# Altium PCB PCB1.PcbDoc
Units mm, origin at the board's own origin, x right, y up, seen from the top; angles counter-clockwise.
Board outline 99.06 x 63.5 mm, 2 copper layers (Top Layer, Bottom Layer); 31 components, 38 nets, 125 pads, 20 vias.
Unrouted connection lines stored in the file: 1.
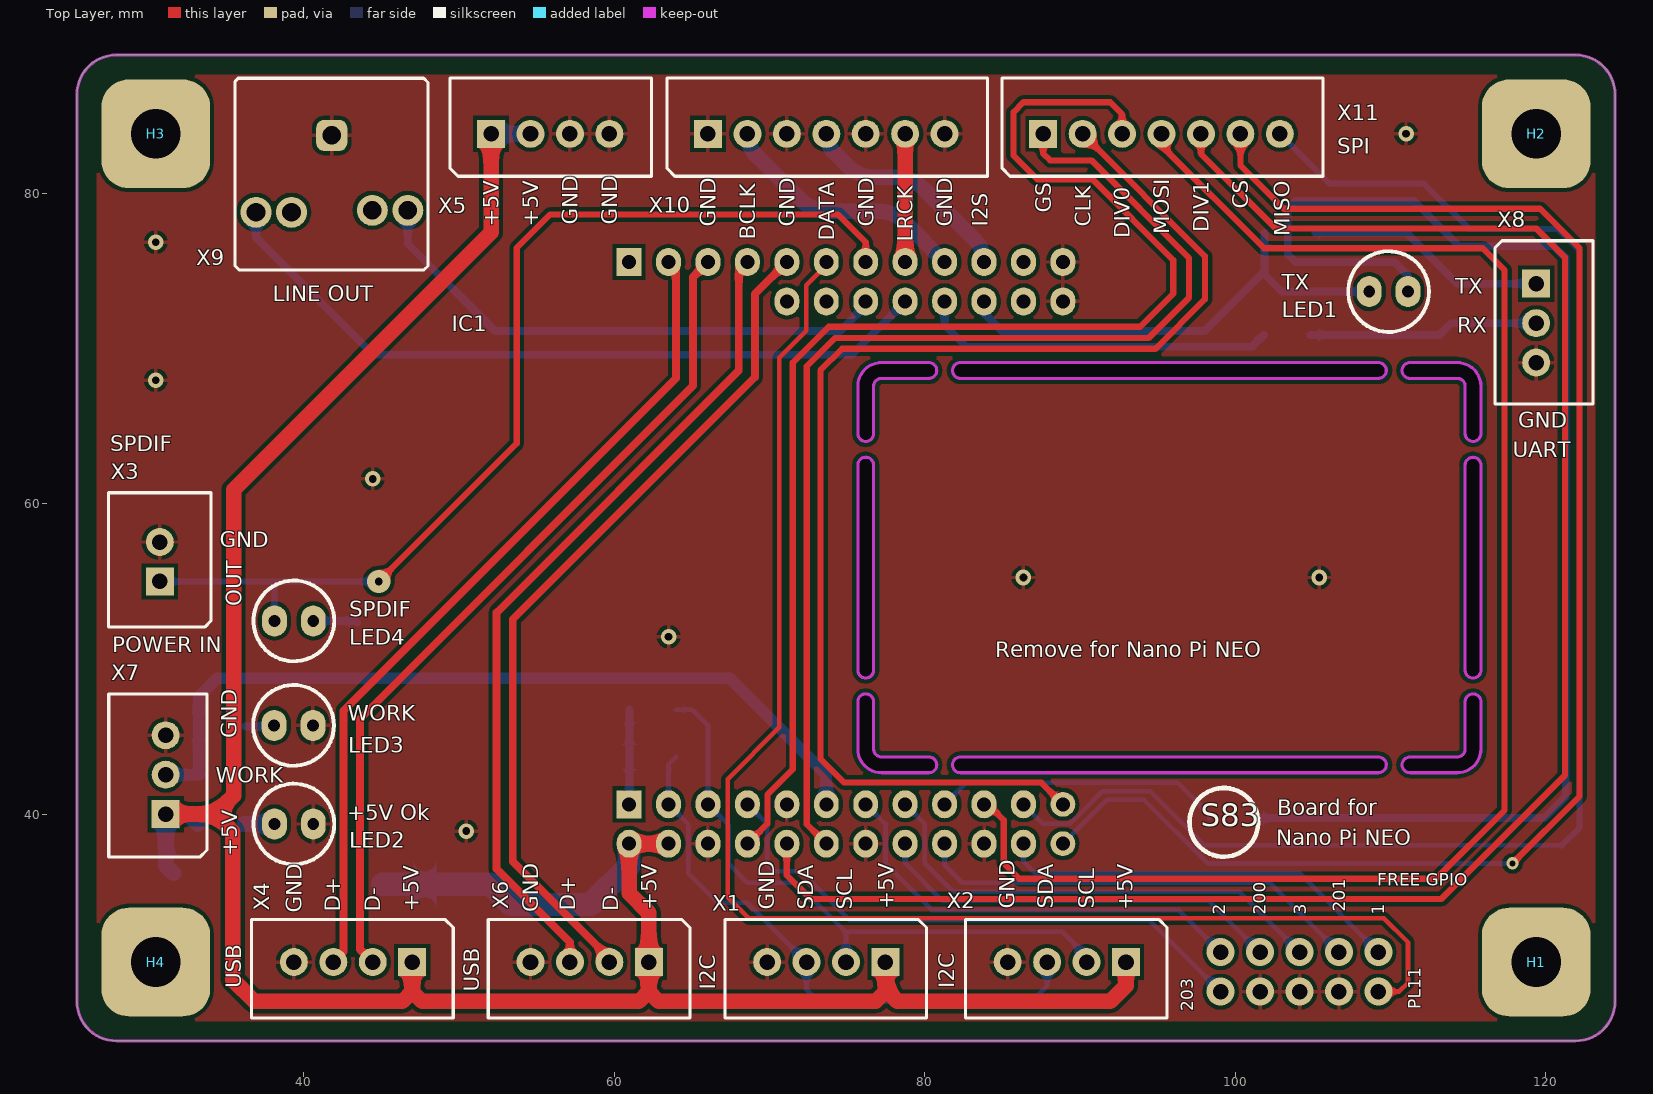
[diagram p0: Top Layer view]
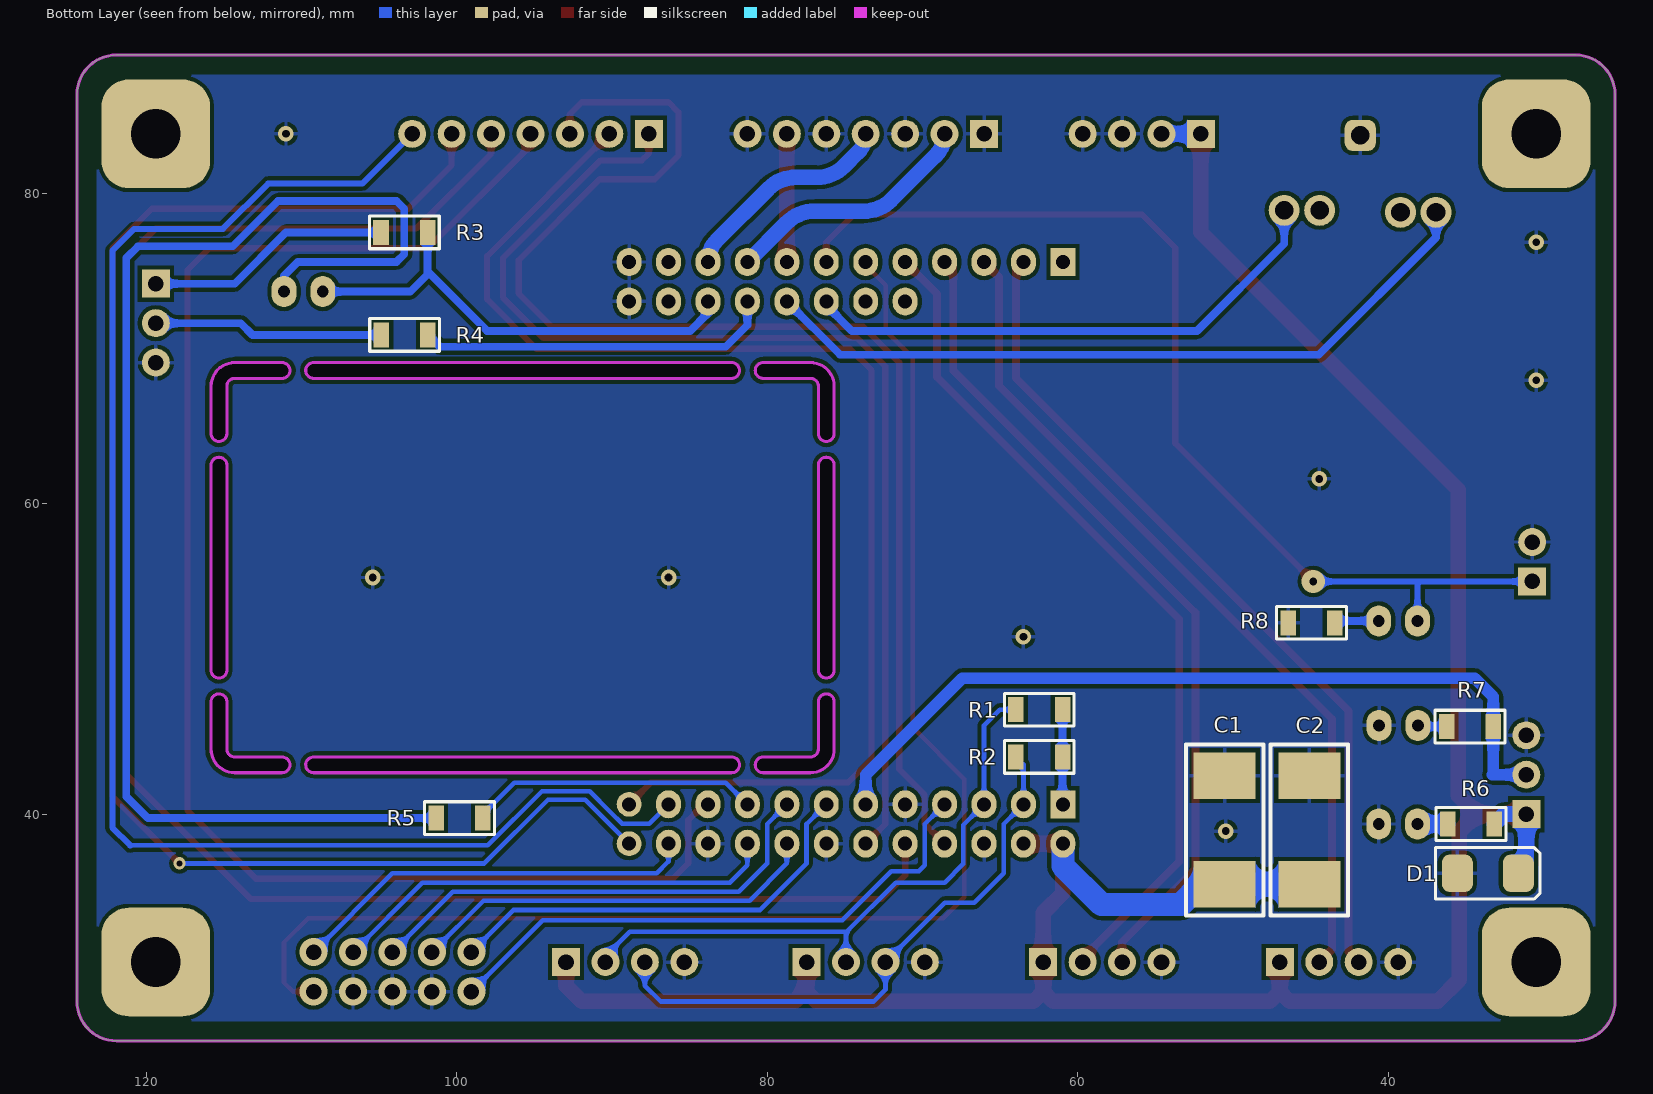
[diagram p1: Bottom Layer view, seen from below]

## Layer stack, top to bottom
Top Solder: solder mask 0.0102, Solder Resist, Dk 3.5
Top Layer: signal copper 0.0356
Dielectric 1: dielectric 0.32, FR-4, Dk 4.8
Bottom Layer: signal copper 0.0356
Bottom Solder: solder mask 0.0102, Solder Resist, Dk 3.5

## Board outline
27.94,25.4 121.92,25.4 ccw(c121.92,27.94) 124.46,27.94 124.46,86.36 ccw(c121.92,86.36) 121.92,88.9 27.94,88.9 ccw(c27.94,86.36) 25.4,86.36 25.4,27.94 ccw(c27.94,27.94)
cut-out: 81.788,43.18 ccw(c82.296,43.18) 82.296,42.672 109.22,42.672 ccw(c109.22,43.18) 109.728,43.18 ccw(c109.22,43.18) 109.22,43.688 82.296,43.688 ccw(c82.296,43.18)
cut-out: 115.316,62.992 cw(c115.316,62.484) 115.824,62.484 115.824,49.276 cw(c115.316,49.276) 115.316,48.768 cw(c115.316,49.276) 114.808,49.276 114.808,62.484 cw(c115.316,62.484)
cut-out: 76.2,62.992 cw(c76.2,62.484) 76.708,62.484 76.708,49.276 cw(c76.2,49.276) 76.2,48.768 cw(c76.2,49.276) 75.692,49.276 75.692,62.484 cw(c76.2,62.484)
cut-out: 111.252,42.672 114.3,42.672 ccw(c114.3,44.196) 115.824,44.196 115.824,47.244 ccw(c115.316,47.244) 115.316,47.752 ccw(c115.316,47.244) 114.808,47.244 114.808,44.196 cw(c114.3,44.196) 114.3,43.688 111.252,43.688 ccw(c111.252,43.18) 110.744,43.18 ccw(c111.252,43.18)
cut-out: 75.692,47.244 75.692,44.196 ccw(c77.216,44.196) 77.216,42.672 80.264,42.672 ccw(c80.264,43.18) 80.772,43.18 ccw(c80.264,43.18) 80.264,43.688 77.216,43.688 cw(c77.216,44.196) 76.708,44.196 76.708,47.244 ccw(c76.2,47.244) 76.2,47.752 ccw(c76.2,47.244)
cut-out: 81.788,68.58 ccw(c82.296,68.58) 82.296,68.072 109.22,68.072 ccw(c109.22,68.58) 109.728,68.58 ccw(c109.22,68.58) 109.22,69.088 82.296,69.088 ccw(c82.296,68.58)
cut-out: 115.824,64.516 115.824,67.564 ccw(c114.3,67.564) 114.3,69.088 111.252,69.088 ccw(c111.252,68.58) 110.744,68.58 ccw(c111.252,68.58) 111.252,68.072 114.3,68.072 cw(c114.3,67.564) 114.808,67.564 114.808,64.516 ccw(c115.316,64.516) 115.316,64.008 ccw(c115.316,64.516)
cut-out: 80.264,69.088 77.216,69.088 ccw(c77.216,67.564) 75.692,67.564 75.692,64.516 ccw(c76.2,64.516) 76.2,64.008 ccw(c76.2,64.516) 76.708,64.516 76.708,67.564 cw(c77.216,67.564) 77.216,68.072 80.264,68.072 ccw(c80.264,68.58) 80.772,68.58 ccw(c80.264,68.58)

## Design rules (kind name [scope] priority, off if disabled: settings)
Clearance [All] p1: gap=0.254 ignorepadtopadclearanceinfootprint=FALSE except(0: Arc-Hole Track-Hole SMDPad-Hole THPad-Hole Via-Hole Fill-Hole Poly-Hole Region-Hole Text-Hole)
PolygonConnect [All] p1: connectstyle=Relief reliefconductorwidth=0.254 reliefentries=4 polygonreliefangle="90 Angle" airgapwidth=0.254
RoomDefinition Sheet1 [InComponentClass('Sheet1')] p1: confinementstyle=ConfineIn formatcopy=TRUE lockcomponents=FALSE outline 178.943,26.797 219.456,26.797 219.456,87.376 178.943,87.376
RoutingVias [All] p1: holewidth=0.711 width=1.27 viastyle="Through Hole" minholewidth=0.711 minwidth=1.27 maxholewidth=0.711 maxwidth=1.27
SolderMaskExpansion [All] p1: expansion=0.102 istentingtop=FALSE
Width [All] p1: maxlimit=10 minlimit=0.254 preferedwidth=0.254 minimp=50.000000 maximp=50.000000 favimp=50.000000
30 further rules are at their usual default settings.

## Components (designator, comment, footprint, x,y, rotation, side; value= is the part's Value field where it differs from the comment)
C1 "10 мкФ" "Конденсатор SMD тантал 4x7" 50.546,38.989 r90 bottom
C2 "10 мкФ" "Конденсатор SMD тантал 4x7" 45.085,38.989 r90 bottom
D1 "SMAJ 5.0A" "Диод SS14" 33.528,36.195 r0 bottom
H1 "3.2" "Отверстие 3,2" 119.38,30.48 r0 top
H2 "3.2" "Отверстие 3,2" 119.38,83.82 r0 top
H3 "3.2" "Отверстие 3,2" 30.48,83.82 r0 top
H4 "3.2" "Отверстие 3,2" 30.48,30.48 r0 top
IC1 "Nano Pi NEO2 / AIR" NANOPI_NEO 60.96,40.64 r0 top
LED1 "Красный" "Светодиод 3mm" 109.875,73.66 r180 top
LED2 "Красный" "Светодиод 3mm" 39.37,39.37 r0 top
LED3 "Зеленый" "Светодиод 3mm" 39.35,45.72 r0 top
LED4 "Красный" "Светодиод 3mm" 39.37,52.451 r0 top
R1 "10 кОм" "SMD 1206 Резистор" 62.484,46.736 r0 bottom
R2 "10 кОм" "SMD 1206 Резистор" 62.484,43.688 r0 bottom
R3 "100 Ом" "SMD 1206 Резистор" 103.378,77.47 r0 bottom
R4 "100 Ом" "SMD 1206 Резистор" 103.354,70.866 r0 bottom
R5 "360 Ом" "SMD 1206 Резистор" 99.822,39.751 r0 bottom
R6 "470 Ом" "SMD 1206 Резистор" 34.671,39.37 r180 bottom
R7 "360 Ом" "SMD 1206 Резистор" 34.747,45.644 r180 bottom
R8 "360 Ом" "SMD 1206 Резистор" 44.958,52.324 r0 bottom
X1 "XH_4PIN_2.54" "(1X4) PIN XH 2.54 HEADR" 72.39,30.52 r270 top
X2 "XH_4PIN_2.54" "(1X4) PIN XH 2.54 HEADR" 87.884,30.52 r270 top
X3 "XH_3PIN_2.54" "(1X2) PIN XH 2.54 HEADER" 30.734,57.531 r90 top
X4 "XH_4PIN_2.54" "(1X4) PIN XH 2.54 HEADR" 41.91,30.52 r270 top
X5 "XH_4PIN_2.54" "(1X4) PIN XH 2.54 HEADR" 57.15,83.78 r90 top
X6 "XH_4PIN_2.54" "(1X4) PIN XH 2.54 HEADR" 57.15,30.52 r270 top
X7 "XH_3PIN_2.54" "(1X3) PIN XH 2.54 HEADR" 31.155,45.085 r180 top
X8 "XH_3PIN_2.54" "(1X3) PIN XH 2.54 HEADR" 119.34,69.088 r0 top
X9 "Audio jack 3.5" "3.5 AUDIO JACK MAMA" 43.409,82.829 r180 top
X10 "XH_7PIN_2.54" "(1X7) PIN XH 2.54 HEADR" 71.12,83.78 r90 top
X11 "XH_7PIN_2.54" "(1X7) PIN XH 2.54 HEADR" 92.71,83.78 r90 top

## Footprints (in the part's own frame and the unit in brackets; to place one, negate y for a bottom-side part, rotate by r counter-clockwise, add the part's x,y. Pads: shape width x height; smd on the part's side, far side on the other; paste and mask are expansions set on the pad)
"3.5 AUDIO JACK MAMA" [mm]
  round 2 hole 1.2: 1(-3.302,3.937) 2(-1.016,3.937) 3(4.191,4.064) 4(6.477,4.064)
  rrect50% 2x2 hole 1.2: 5(1.6,-0.889)
  silkscreen extent -4.6,-4.57 7.82,7.77, body extent -4.38,-7.55 7.62,7.55, height 10
"(1X2) PIN XH 2.54 HEADER" [mm]
  rect 1.8x1.8 hole 1: 1(-2.54,0)
  round 1.8 hole 1: 2(0,0)
  silkscreen extent -5.46,-3.3 3.18,3.3, body extent -5.22,-3.02 2.78,2.98, height 7
"(1X3) PIN XH 2.54 HEADR" [mm]
  rect 1.8x1.8 hole 1: 1(0.04,5.08)
  round 1.8 hole 1: 2(0.04,2.54) 3(0.04,0)
  silkscreen extent -2.62,-2.67 3.71,7.85, body extent -2.36,-2.41 3.44,7.55, height 7
"(1X4) PIN XH 2.54 HEADR" [mm]
  rect 1.8x1.8 hole 1: 1(0.04,5.08)
  round 1.8 hole 1: 2(0.04,2.54) 3(0.04,0) 4(0.04,-2.54)
  silkscreen extent -2.69,-5.26 3.63,7.72, body extent -2.4,-5.01 3.4,7.49, height 7
"(1X7) PIN XH 2.54 HEADR" [mm]
  rect 1.8x1.8 hole 1: 1(0.04,5.08)
  round 1.8 hole 1: 2(0.04,2.54) 3(0.04,0) 4(0.04,-2.54) 5(0.04,-5.08) 6(0.04,-7.62) 7(0.04,-10.16)
  silkscreen extent -2.69,-12.93 3.63,7.72, body extent -2.4,-12.55 3.4,7.52, height 7
NANOPI_NEO [mm]
  rect 1.6x1.8 hole 0.9: A1(0,0) B1(0,34.925)
  oval 1.6x1.8 hole 0.9: A2(0,-2.54) A3(2.54,0) A4(2.54,-2.54) A5(5.08,0) A6(5.08,-2.54) A7(7.62,0) A8(7.62,-2.54) A9(10.16,0) A10(10.16,-2.54) A11(12.7,0) A12(12.7,-2.54) A13(15.24,0) A14(15.24,-2.54) A15(17.78,0) A16(17.78,-2.54) A17(20.32,0) A18(20.32,-2.54) A19(22.86,0) A20(22.86,-2.54) A21(25.4,0) A22(25.4,-2.54) B2(2.54,34.925) B3(5.08,34.925) B4(7.62,34.925) B5(10.16,34.925) B6(12.7,34.925) B7(15.24,34.925) B8(17.78,34.925) B9(20.32,34.925) B10(22.86,34.925) B11(25.4,34.925) B12(27.94,34.925) C1(10.16,32.385) C2(12.7,32.385) C3(15.24,32.385) C4(17.78,32.385) C5(20.32,32.385) C6(22.86,32.385) C7(25.4,32.385) C8(27.94,32.385)
  round 1.6 hole 0.9: A23(27.94,0) A24(27.94,-2.54)
  body extent -6.97,-3.94 38.81,36.26, height 15
"SMD 1206 Резистор" [mm]
  rect 1x1.6 smd: 1(-1.5,0) 2(1.5,0)
  silkscreen extent -2.25,-1.05 2.25,1.05, body extent -1.5,-0.77 1.51,0.78, height 0.55
"Диод SS14" [mm]
  rrect50% 2x2.4 smd: 1(2.032,0) 2(-1.905,0)
  silkscreen extent -3.3,-1.65 3.43,1.65, body extent -2.53,-1.36 2.53,1.36, height 2.5
"Конденсатор SMD тантал 4x7" [mm]
  rect 3x4 smd: 1(-3.5,0) 2(3.5,0)
  silkscreen extent -5.5,-2.5 5.5,2.5, body extent -3.75,-2 3.75,2, height 2.95
"Отверстие 3,2" [mm]
  rrect50% 7x7 hole 3.2: 1(0,0)
"Светодиод 3mm" [mm]
  oval 1.6x2 hole 0.762: 1(-1.25,0) 2(1.25,0)
  silkscreen extent -2.6,-2.6 2.6,2.6, body extent -2,-2 1.5,2, height 7.2

## Part data
C1 C2: library part Конденсатор, Case=4x7
D1: library part Диод, Case=DO-214AC
H1 H2 H3 H4: library part "Отверстие монтажное", Case=Отверстие
IC1: library part "NanoPi NEO", Case=-
LED1 LED2 LED3 LED4: library part Светодиод, Case=3мм
R1 R2 R3 R4 R5 R6 R7 R8: library part Резистор, Case="SMD 1206"
X1 X2 X4 X5 X6: library part "(1x4) pin XH 2.54 Header", Case="XH 4PIN", System=Connector
X3: library part "(1x2)pin 2.54 Header", Case="XH 3PIN", System=Connector
X7 X8: library part "(1x3)pin 2.54 Header", Case="XH 3PIN", System=Connector
X9: library part "3.5 Audio", Case="Audio jack female", System=Connector
X10 X11: library part "(1x7) pin 2.54 Header", Case="XH 7PIN", System=Connector

## Via types
v1: diameter 1.8, hole 1, Top Layer to Bottom Layer, 10 vias
v2: diameter 1, hole 0.5, Top Layer to Bottom Layer, tented both sides, 8 vias
v3: diameter 1.5, hole 0.5, Top Layer to Bottom Layer, tented both sides, 1 vias
v4: diameter 0.8, hole 0.4, Top Layer to Bottom Layer, tented both sides, 1 vias

## Nets (pads, with @x,y where several pads share a name; then routed paths per layer and width w, separated by ;. In a path a pad name is that pad's centre, name@x,y a point inside that pad or via, vN(x,y) a via of type N, cw(c..) or ccw(c..) an arc to the next point about the centre after c; other vN are vias at no path point)
+3.3V: IC1.A1 IC1.A17 R1.1 R2.1 R5.1 | length 24.8
  Bottom Layer w0.3: IC1.A17 82.677,42.037 96.286,42.037 98.322,40.001 R5.1
  Bottom Layer w0.5: IC1.A1 60.984,40.664 R2.1 R1.1
+5V: C1.1 C2.1 D1.2 IC1.A2 IC1.A4 R6.2 X1.1 X2.1 X4.1 X5.1 X5.2 X6.1 X7.1 | length 171.3
  Top Layer w1: X7.1 34.29,40.005 ; X4.1 46.99,28.575 ; X5.1 52.07,77.47 35.484,60.884 35.484,41.199 34.29,40.005 ; IC1.A4 IC1.A2 60.96,34.925 62.23,33.655 X6.1 62.23,28.575 ; X1.1 77.47,28.702 ; X2.1 92.964,28.956 91.948,27.94 78.232,27.94 77.47,28.702 ; 34.29,40.005 35.433,38.862 35.433,29.337 36.83,27.94 46.355,27.94 46.99,28.575 ; 46.99,28.575 47.625,27.94 61.595,27.94 62.23,28.575 ; 62.23,28.575 62.865,27.94 76.835,27.94 77.47,28.575 77.47,28.702
  Bottom Layer w1: D1.2 31.115,36.703 X7.1 32.536,40.005 R6.2 ; X5.1 X5.2
  Bottom Layer w1.5: C2.1 C1.1 52.034,35.489 53.34,34.183 58.475,34.183 60.96,36.668 IC1.A2
BCLK: IC1.B9 X10.2 | length 16.3
  Bottom Layer w1: X10.2 ccw(c70.555,83.82) 69.158,82.423 72.002,79.58 ccw(c73.798,81.376) 73.798,78.836 76.957,78.836 cw(c76.957,76.296) 78.753,78.092 IC1.B9
CONSOLE_RX: IC1.C5 R4.1 | length 23
  Bottom Layer w0.5: IC1.C5 81.28,71.501 82.677,70.104 101.092,70.104 R4.1
CONSOLE_TX: IC1.C6 LED1.2 R3.1 | length 30.8
  Bottom Layer w0.5: IC1.C6 83.82,72.263 84.963,71.12 98.044,71.12 101.878,74.954 ; R3.1 101.878,74.954 ; LED1.2 102.997,73.66 101.878,74.779 101.878,74.954
DATA: IC1.B10 X10.4 | length 14.1
  Bottom Layer w1: X10.4 ccw(c75.328,83.82) 74.148,82.64 75.024,81.765 ccw(c76.82,83.561) 76.82,81.021 78.145,81.021 cw(c78.145,78.481) 79.941,80.277 83.231,76.987 cw(c81.809,75.565) IC1.B10
DIV0: IC1.A8 X11.3 | length 85.5
  Top Layer w0.4: IC1.A8@68.707,38.1 IC1.A8 69.866,39.386 69.866,41.259 71.501,42.894 71.501,69.088 73.812,71.399 93.878,71.399 96.012,73.533 96.012,75.692 90.805,80.899 87.249,80.899 85.725,82.423 85.725,85.217 86.36,85.852 91.948,85.852 92.71,85.09 X11.3
DIV1: IC1.A10 X11.5 | length 116.9
  Top Layer w0.4: IC1.A10 71.12,36.068 72.644,34.544 113.284,34.544 121.234,42.494 121.234,75.87 119.38,77.724 102.616,77.724 97.79,82.55 X11.5
GEN_SEL: IC1.A12 X11.1 | length 73.7
  Top Layer w0.4: IC1.A12 72.406,39.354 72.406,68.85 74.219,70.663 94.412,70.663 97.028,73.279 97.028,75.819 90.742,82.105 88.075,82.105 87.63,82.55 X11.1
GND: C1.2 C2.2 D1.1 IC1.A6 IC1.A9 IC1.A14 IC1.A20 IC1.B12 IC1.C8 LED2.2 LED3.2 R8.2 X1.4 X2.4 X3.2 X4.4 X5.3 X5.4 X6.4 X7.3 X8.3 X9.5 X10.1 X10.3 X10.5 X10.7
  other v1: 101.6,28.575 104.14,28.575 106.68,28.575
  other v2: 50.47,38.913 63.5,51.435 86.36,55.245 105.41,55.245 44.45,61.595 30.48,67.945 30.48,76.835 110.998,83.82
L_OUT: IC1.C4 X9.4 | length 48
  Bottom Layer w0.5: X9.4 36.932,77.14 44.475,69.596 75.311,69.596 IC1.C4
LRCLK: IC1.B8 X10.6 | length 8.3
  Top Layer w1: IC1.B8 X10.6
NetLED1_1: LED1.1 R5.2 | length 87.1
  Bottom Layer w0.5: R5.2 119.888,39.751 121.279,41.142 121.279,75.825 120.523,76.581 114.427,76.581 111.506,79.502 103.886,79.502 103.378,78.994 103.378,76.073 103.886,75.565 110.236,75.565 111.125,74.676 LED1.1
NetLED2_1: LED2.1 R6.1 | length 1.9
  Bottom Layer w1: R6.1 LED2.1
NetLED3_1: LED3.1 R7.1 | length 1.9
  Bottom Layer w0.5: R7.1 38.024,45.644 LED3.1
NetLED4_2: LED4.2 R8.1 | length 2.9
  Bottom Layer w0.5: LED4.2 43.331,52.451 R8.1
NetR3_2: R3.2 X8.1 | length 15.2
  Bottom Layer w0.5: R3.2@105.156,77.47 110.998,77.47 114.3,74.168 X8.1@118.999,74.168
NetR4_2: R4.2 X8.2 | length 14.8
  Bottom Layer w0.5: R4.2 113.157,70.866 113.919,71.628 X8.2
PA1: IC1.A22 | length 26.4
  Bottom Layer w0.3: IC1.A22 86.36,36.957 87.127,36.19 104.145,36.19 v1(109.22,31.115)
PA2: IC1.A13 | length 28.3
  Bottom Layer w0.3: IC1.A13 77.47,39.37 77.47,36.83 80.473,33.827 96.348,33.827 v1(99.06,31.115)
PA3: IC1.A15 | length 30.8
  Bottom Layer w0.3: IC1.A15 80.01,39.37 80.01,36.83 81.844,34.996 100.259,34.996 v1(104.14,31.115)
PC_ON: IC1.A11 R7.2 X7.2 | length 52.6
  Bottom Layer w0.75: X7.2 33.299,42.545 33.247,42.597 R7.2 33.247,47.573 34.442,48.768 67.437,48.768 73.66,42.545 IC1.A11
PG8: IC1.A16 | length 26.5
  Bottom Layer w0.3: IC1.A16 78.74,36.83 81.133,34.437 98.278,34.437 v1(101.6,31.115)
PG9: IC1.A18 | length 29.1
  Bottom Layer w0.3: IC1.A18 81.28,36.703 82.403,35.58 102.215,35.58 v1(106.68,31.115)
PG11: IC1.A7 | length 37
  Bottom Layer w0.3: IC1.A7 69.85,39.37 69.85,36.703 70.231,36.322 72.009,36.322 75.159,33.172 94.463,33.172 v1(99.06,28.575)
PL11: IC1.B6 | length 93.3
  Top Layer w0.3: IC1.B6 73.66,75.356 72.365,74.061 72.365,71.14 70.637,69.413 70.637,45.593 67.31,42.266 67.31,34.646 68.656,33.299 109.576,33.299 111.125,31.75 111.125,29.158 110.542,28.575 v1(109.22,28.575)
R_OUT: IC1.C3 X9.1 | length 34.9
  Bottom Layer w0.5: X9.1 46.711,76.733 52.324,71.12 74.549,71.12 76.2,72.771 IC1.C3
SCL1: IC1.A5 R1.2 X1.2 X2.2 | length 39.8
  Bottom Layer w0.3: R1.2 65.024,46.736 66.04,45.72 IC1.A5 67.376,39.304 67.376,36.796 68.58,35.592 71.723,35.592 74.93,32.385 ; X1.2 74.93,32.385 ; X2.2 90.424,30.861 88.849,32.436 74.93,32.436 74.93,32.385
SDA1: IC1.A3 R2.2 X1.3 X2.3 | length 37.7
  Bottom Layer w0.3: R2.2 63.5,43.204 IC1.A3 64.77,39.37 64.77,36.195 66.675,34.29 68.58,34.29 X1.3 72.39,28.702 73.152,27.94 86.868,27.94 87.884,28.956 X2.3
SPDIF_OUT: IC1.B7 LED4.1 X3.1 | length 67.3
  Top Layer w0.4: v3(44.831,54.991) 53.721,63.881 53.721,76.474 55.88,78.633 74.402,78.633 76.2,76.835 IC1.B7
  Bottom Layer w0.4: X3.1 37.973,54.991 ; LED4.1 38.12,54.844 37.973,54.991 ; v3(44.831,54.991) 37.973,54.991
SPI_CLK: IC1.A23 X11.2 | length 82.4
  Top Layer w0.4: IC1.A23 87.503,42.037 74.803,42.037 73.279,43.561 73.279,68.58 74.676,69.977 94.869,69.977 98.044,73.152 98.044,75.946 X11.2
SPI_CS: IC1.A24 X11.6 | length 99.3
  Top Layer w0.4: X11.6 100.33,81.788 103.124,78.994 119.634,78.994 122.174,76.454 122.174,41.148 v4(117.856,36.83)
  Bottom Layer w0.3: IC1.A24 91.729,40.929 94.123,40.929 98.222,36.83 v4(117.856,36.83)
SPI_MISO: IC1.A21 X11.7 | length 98.7
  Bottom Layer w0.3: IC1.A21 87.61,39.39 89.353,39.39 90.104,40.141 ; 90.104,40.142 91.445,41.483 94.509,41.483 97.999,37.993 121.031,37.993
  Bottom Layer w0.4: X11.7 106.076,80.614 112.141,80.614 115.062,77.693 120.777,77.693 122.174,76.296 122.174,39.136 121.031,37.993
SPI_MOSI: IC1.A19 X11.4 | length 99.9
  Top Layer w0.4: IC1.A19 84.074,40.64 85.09,39.624 85.09,36.83 86.081,35.839 112.928,35.839 117.348,40.259 117.348,75.037 115.931,76.454 101.854,76.454 95.25,83.058 X11.4
USB1_M: IC1.B3 X4.2 | length 54.7
  Top Layer w0.5: X4.2 43.637,31.293 43.637,46.152 65.075,67.589 65.075,74.6 IC1.B3
USB1_P: IC1.B2 X4.3 | length 54.4
  Top Layer w0.5: X4.3 42.57,31.14 42.57,46.66 63.983,68.072 63.983,75.082 IC1.B2
USB2_M: IC1.B5 X6.2 | length 55
  Top Layer w0.5: X6.2 59.656,30.48 59.656,30.768 53.467,36.957 53.467,52.553 69.063,68.148 69.063,73.508 IC1.B5
USB2_P: IC1.B4 X6.3 | length 53.7
  Top Layer w0.5: X6.3 57.15,31.75 52.426,36.474 52.426,52.984 68.021,68.58 68.021,75.006 IC1.B4
pads on no net: H1.1 H2.1 H3.1 H4.1 IC1.B1 IC1.B11 IC1.C1 IC1.C2 IC1.C7 X9.2 X9.3

## Polygon pours and split planes (outlines as drawn)
GND on Bottom Layer "Bottom Layer-No Net 1" (solid, pour order 0): 26.67,87.63 123.19,87.63 123.19,26.67 26.67,26.67
GND on Top Layer "Bottom Layer-No Net 1" (solid, pour order 2): 26.67,87.63 123.19,87.63 123.19,26.67 26.67,26.67

## Keep-outs
Keep-Out Layer:
  lines w0.2: 25.4,27.94 ccw(c27.94,27.94) 27.94,25.4 121.92,25.4 ccw(c121.92,27.94) 124.46,27.94 124.46,86.36 ccw(c121.92,86.36) 121.92,88.9 27.94,88.9 ccw(c27.94,86.36) 25.4,86.36 25.4,27.94 ; 75.692,44.196 ccw(c77.216,44.196) 77.216,42.672 80.264,42.672 ccw(c80.264,43.18) 80.772,43.18 ccw(c80.264,43.18) 80.264,43.688 77.216,43.688 cw(c77.216,44.196) 76.708,44.196 76.708,47.244 ccw(c76.2,47.244) 76.2,47.752 ccw(c76.2,47.244) 75.692,47.244 75.692,44.196 ; 75.692,49.276 ccw(c76.2,49.276) 76.2,48.768 ccw(c76.2,49.276) 76.708,49.276 76.708,62.484 ccw(c76.2,62.484) 76.2,62.992 ccw(c76.2,62.484) 75.692,62.484 75.692,49.276 ; 75.692,64.516 ccw(c76.2,64.516) 76.2,64.008 ccw(c76.2,64.516) 76.708,64.516 76.708,67.564 cw(c77.216,67.564) 77.216,68.072 80.264,68.072 ccw(c80.264,68.58) 80.772,68.58 ccw(c80.264,68.58) 80.264,69.088 77.216,69.088 ccw(c77.216,67.564) 75.692,67.564 75.692,64.516 ; 81.788,43.18 ccw(c82.296,43.18) 82.296,42.672 109.22,42.672 ccw(c109.22,43.18) 109.728,43.18 ccw(c109.22,43.18) 109.22,43.688 82.296,43.688 ccw(c82.296,43.18) 81.788,43.18 ; 81.788,68.58 ccw(c82.296,68.58) 82.296,68.072 109.22,68.072 ccw(c109.22,68.58) 109.728,68.58 ccw(c109.22,68.58) 109.22,69.088 82.296,69.088 ccw(c82.296,68.58) 81.788,68.58 ; 110.744,43.18 cw(c111.252,43.18) 111.252,43.688 114.3,43.688 ccw(c114.3,44.196) 114.808,44.196 114.808,47.244 cw(c115.316,47.244) 115.316,47.752 cw(c115.316,47.244) 115.824,47.244 115.824,44.196 cw(c114.3,44.196) 114.3,42.672 111.252,42.672 cw(c111.252,43.18) 110.744,43.18 ; 110.744,68.58 cw(c111.252,68.58) 111.252,69.088 114.3,69.088 cw(c114.3,67.564) 115.824,67.564 115.824,64.516 cw(c115.316,64.516) 115.316,64.008 cw(c115.316,64.516) 114.808,64.516 114.808,67.564 ccw(c114.3,67.564) 114.3,68.072 111.252,68.072 cw(c111.252,68.58) 110.744,68.58 ; 114.808,49.276 ccw(c115.316,49.276) 115.316,48.768 ccw(c115.316,49.276) 115.824,49.276 115.824,62.484 ccw(c115.316,62.484) 115.316,62.992 ccw(c115.316,62.484) 114.808,62.484 114.808,49.276

## Silkscreen, mask and mechanical layers (free items; w line width, h text height)
Top Overlay:
  lines w0.3: 101.473,39.39 cw(c99.262,39.476) 101.475,39.476
  text "SPI" at 106.553,82.55 h1
  text "CS" at 100.838,78.994 h1 r90
  text "GS" at 88.138,78.74 h1 r90
  text "GND" at 57.658,77.978 h1 r90
  text "GND" at 60.198,77.978 h1 r90
  text "+5V" at 52.578,77.851 h1 r90
  text "+5V" at 55.118,77.851 h1 r90
  text "GND" at 66.548,77.851 h1 r90
  text "GND" at 71.628,77.851 h1 r90
  text "GND" at 76.708,77.851 h1 r90
  text "GND" at 81.788,77.851 h1 r90
  text "I2S" at 84.074,77.851 h1 r90
  text "CLK" at 90.678,77.851 h1 r90
  text "DIV1" at 98.298,77.47 h1 r90
  text "MOSI" at 95.758,77.343 h1 r90
  text "MISO" at 103.505,77.216 h1 r90
  text "DIV0" at 93.218,77.089 h1 r90
  text "BCLK" at 69.088,76.987 h1 r90
  text "DATA" at 74.168,76.937 h1 r90
  text "LRCK" at 79.223,76.886 h1 r90
  text "TX" at 102.997,73.787 h1
  text "TX" at 114.173,73.533 h1
  text "LINE OUT" at 37.998,73.05 h1
  text "RX" at 114.3,70.993 h1
  text "GND" at 118.237,64.897 h1
  text "SPDIF" at 27.559,63.373 h1
  text "UART" at 117.856,62.992 h1
  text "GND" at 34.595,57.195 h1
  text "OUT" at 36.017,53.385 h1 r90
  text "SPDIF" at 42.926,52.705 h1
  text "POWER IN" at 27.686,50.419 h1
  text "Remove for Nano Pi NEO" at 84.531,50.114 h1
  text "WORK" at 42.85,46.025 h1
  text "GND" at 35.687,44.902 h1 r90
  text "WORK" at 34.341,42.032 h1
  text "Board for" at 102.692,39.929 h1
  text "+5V Ok" at 42.799,39.624 h1
  text "S83" at 97.765,38.73 h2.5
  text "Nano Pi NEO" at 102.641,37.998 h1
  text "+5V" at 35.712,37.282 h1 r90
  text "FREE GPIO" at 109.144,35.408 h0.8
  text "GND" at 85.801,33.909 h1 r90
  text "SDA" at 88.29,33.909 h1 r90
  text "SCL" at 90.907,33.909 h1 r90
  text "+5V" at 78.003,33.884 h1 r90
  text "GND" at 70.307,33.858 h1 r90
  text "SDA" at 72.822,33.858 h1 r90
  text "SCL" at 75.336,33.858 h1 r90
  text "+5V" at 62.738,33.807 h1 r90
  text "+5V" at 93.396,33.807 h1 r90
  text "D+" at 57.48,33.782 h1 r90
  text "D-" at 60.249,33.757 h1 r90
  text "D-" at 44.933,33.731 h1 r90
  text "D+" at 42.342,33.706 h1 r90
  text "+5V" at 47.422,33.706 h1 r90
  text "201" at 107.086,33.706 h0.8 r90
  text "GND" at 55.118,33.68 h1 r90
  text "GND" at 39.878,33.655 h1 r90
  text "2" at 99.365,33.528 h0.8 r90
  text "200" at 101.956,33.528 h0.8 r90
  text "3" at 104.572,33.528 h0.8 r90
  text "1" at 109.601,33.528 h0.8 r90
  text "USB" at 35.992,28.778 h1 r90
  text "I2C" at 81.89,28.778 h1 r90
  text "I2C" at 66.523,28.702 h1 r90
  text "USB" at 51.308,28.575 h1 r90
  text "PL11" at 111.938,27.432 h0.8 r90
  text "203" at 97.307,27.305 h0.8 r90